# Altium PCB PCB_v2.PcbDoc (part 4 of 8)
Units mil, origin at the board's own origin, x right, y up, seen from the top; angles counter-clockwise.
Board outline 17000 x 5250 mil, 4 copper layers (Top Side, Ground Layer, Power Layer, Bottom Side), stack 33.2 mil thick; 671 components, 580 nets, 2819 pads, 990 vias.
Unrouted connection lines stored in the file: 104.
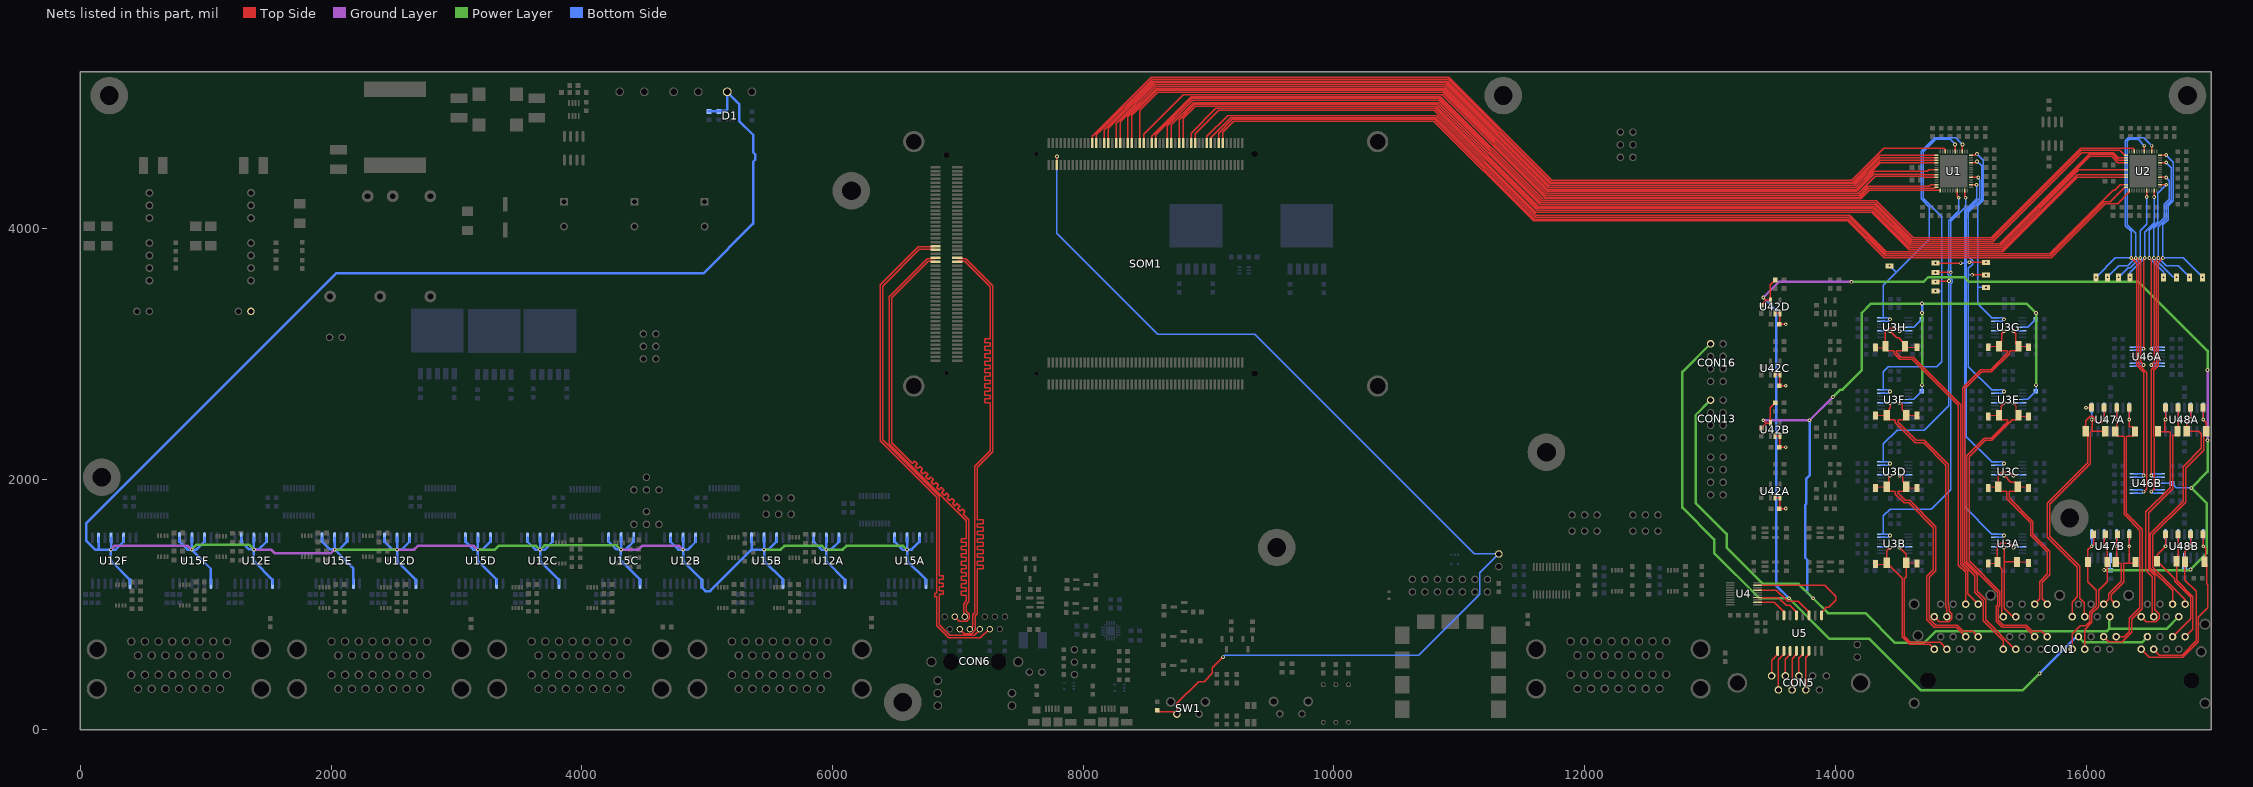
[diagram p6: the nets of this part, all layers, seen from the top]

## Via types
v1: diameter 30, hole 15, Top Side to Bottom Side, 922 vias
v2: diameter 25, hole 15, Top Side to Bottom Side, 30 vias
v3: diameter 60, hole 30, Top Side to Bottom Side, 29 vias
v4: diameter 50, hole 28, Top Side to Bottom Side, 7 vias
v5: diameter 40, hole 20, Top Side to Bottom Side, 2 vias

## Nets (pads, with @x,y where several pads share a name; then routed paths per layer and width w, separated by ;. In a path a pad name is that pad's centre, name@x,y a point inside that pad or via, vN(x,y) a via of type N, cw(c..) or ccw(c..) an arc to the next point about the centre after c; other vN are vias at no path point) (continued)
-15VB: C168D.1 C180B.1 C184B.1 C188B.1 CON1.5G CON1.5H CON16.7 R41D.1 U42D.5 U46B.11 U47B.4 U48B.4 | length 15772.9
  Top Side w10: C168D.1@13410,3388.46 13448.11,3426.57 ; v1(13425,3450) 13425,3449.68 13448.11,3426.57 ; R41D.1@13520,3588.46 13482.6,3551.06 U42D.5@13482.6,3426.57 13448.11,3426.57
  Ground Layer w20: v1(13425,3450) 13548.9,3573.9 v1(14130,3573.9) ; v1(16970,2310) v1(16970,2870)
  Power Layer w20: CON16.7@13005,3080 12780,2855 12780,1772.61 13032.79,1519.83 13032.79,1412.3 13395.09,1050 v1(13630,1050) 13955,725 14273.41,725 14684.39,314.02 15494.02,314.02 v1(15630,450) ; v1(14130,3573.9) 14703.9,3573.9 14740.77,3610.77 15030,3610.77 15066.87,3573.9 16418.88,3573.9 16970,3022.78 v1(16970,2870) ; CON1.5G@15940.16,743 15985.16,698 16445.16,698 CON1.5H@16490.16,743 ; v1(16145,1275) 16827.29,1275 16832.29,1280 v1(16835,1280) 16965,1410 16965,1805 v1(16840,1930) 16970,2060 v1(16970,2310)
  Bottom Side w10: v1(16145,1275) 16193.46,1275 C180B.1@16195,1273.46 U47B.4@16195,1371.02 ; U46B.11@16599.25,1965.51 16686.02,1965.51 C188B.1@16686.54,1965 16721.54,1930 v1(16840,1930) ; U48B.4@16785,1371.02 C184B.1@16785,1278.46 16786.54,1280 v1(16835,1280)
  Bottom Side w20: v1(13425,3450) 13527.5,3347.5 13527.5,1152.5 v1(13630,1050) ; v1(15630,450) 15923,743 CON1.5G@15940.16,743
-15VE: C168B.1 C190E.1 C190F.1 C190G.1 C190H.1 CON1.5C CON1.5D CON13.7 R41B.1 U3E.11 U3F.11 U3G.11 U3H.11 U42B.5 | length 12023.3
  Top Side w10: C168B.1@13410,2408.46 13448.11,2446.57 ; v1(13425,2470) 13425,2469.68 13448.11,2446.57 ; R41B.1@13520,2608.46 13482.6,2571.06 U42B.5@13482.6,2446.57 13448.11,2446.57
  Ground Layer w20: v1(13425,2470) v1(13795,2470) v1(13980,2655)
  Power Layer w20: CON13.7@13005,2630 12885,2510 12885,1810.45 13132.79,1562.66 13132.79,1453.72 13422.57,1163.94 13707.49,1163.94 v1(13821.43,1050) 13940.43,931 14239.43,931 14476.88,693.55 14708.55,693.55 14803,788 16168,788 16185,805 ; v1(13980,2655) 14040,2715 14057.43,2715 14211.63,2869.21 14211.63,3327.43 14285.21,3401 v1(14692,3401) 15525.63,3401 v1(15601.63,3325) v1(15601.63,2750) ; v1(14691.63,2750) v1(14691.63,3325) ; CON1.5C@16190.16,902.84 16185,897.68 16185,805 ; CON1.5D@16740.16,902.84 16642.31,805 16185,805
  Bottom Side w10: U3F.11@14582.42,2635.35 14583.33,2636.25 14625.96,2636.25 C190F.1@14689.7,2700 14691.63,2701.93 v1(14691.63,2750) ; U3H.11@14582.42,3210.35 14583.33,3211.25 14625.96,3211.25 C190H.1@14689.7,3275 14691.63,3276.93 14691.63,3321.14 v1@14689.7,3323.07 ; U3E.11@15492.42,2635.35 15493.33,2636.25 15535.96,2636.25 C190E.1@15599.7,2700 15601.63,2701.93 v1(15601.63,2750) ; U3G.11@15492.42,3210.35 15493.33,3211.25 15535.96,3211.25 C190G.1@15599.7,3275 15601.63,3276.93 v1(15601.63,3325)
  Bottom Side w20: v1(13795,2470) 13795,2029.2 13770,2004.2 13770,1805.57 13760,1795.57 13760,1372.57 13776,1356.57 13776,1095.43 v1(13821.43,1050) ; v1@14689.7,3323.07 v1@14690,3323.37 ; v1(14691.63,3325) 14691.82,3325.18 14691.82,3400.82 v1(14692,3401)
-16V: C167A.1 C167B.1 C167C.1 C167D.1 JP10.2 U42A.2 U42A.3 U42B.2 U42B.3 U42C.2 U42C.3 U42D.2 U42D.3 | length 700.2
  Top Side w10: U42A.2@13520,1853.43 U42A.3@13557.4,1853.43 13557.4,1768.94 C167A.1@13553.46,1765 ; U42B.2@13520,2343.43 U42B.3@13557.4,2343.43 13557.4,2258.94 C167B.1@13553.46,2255 ; U42C.2@13520,2833.43 U42C.3@13557.4,2833.43 13557.4,2748.94 C167C.1@13553.46,2745 ; U42D.2@13520,3323.43 U42D.3@13557.4,3323.43 13557.4,3238.94 C167D.1@13553.46,3235 ; C167A.1@13557.4,1765 v1(13605,1765) ; C167B.1@13557.4,2255 v1(13605,2255) ; C167C.1@13557.4,2745 v1(13605,2745) ; C167D.1@13557.4,3235 v1(13605,3235)
ADC1_CLKOUT: SOM1.JX1-37 U1.33 | length 7206.8
  Top Side w10: SOM1.JX1-37@8293.58,4680 8293.58,4850.26 8574.32,5131 10885.34,5131 11706.34,4310 14165.2,4310 14310.2,4455 14735.36,4455 14746.73,4466.38 U1.33@14809,4466.38
ADC1_CNV: SOM1.JX1-23 U1.24 | length 7518.9
  Top Side w10: SOM1.JX1-23@8073.11,4680 8073.11,4735.86 8543.25,5206 10916.4,5206 11737.4,4385 14132.36,4385 14385.4,4638.04 14866.56,4638.04 14875.1,4629.49 14875.1,4613.04 U1.24@14876.1,4612.04
ADC1_IN1: TP15H.1 U1.17 U3H.6 U3H.7 | length 2214.7
  Top Side w10: U1.17@15013.9,4612.04 v1(15013.9,4670)
  Bottom Side w10: U3H.6@14363.92,3261.18 14364.26,3261.53 14423.16,3261.53 v1(14436.63,3275) 14430.1,3281.53 14424.86,3286.77 U3H.7@14363.92,3286.77 ; U3H.7@14363.92,3287.12 14383.46,3287.12 14384.37,3288.03 14384.37,3546.7 14487.67,3650 ; v1(14432.93,3702.14) 14435.53,3702.14 14487.67,3650 ; v1(15013.9,4670) 14958.9,4725 14793.43,4725 14685,4616.57 14685,4236.01 14750,4171.01 14750,3912.33 14487.67,3650
ADC1_IN2: TP15F.1 U1.20 U3F.6 U3F.7 | length 2978.3
  Top Side w10: U1.20@14954.84,4612.04 14954.92,4612.11 14954.92,4669.92 v1(14955,4670)
  Bottom Side w10: U3F.6@14363.92,2686.18 14364.26,2686.53 14423.16,2686.53 v1(14436.63,2700) 14430.1,2706.53 14424.86,2711.77 U3F.7@14363.92,2711.77 ; U3F.7@14363.92,2712.12 14383.46,2712.12 14384.37,2713.03 14384.37,2856.21 14423.58,2895.43 14810.94,2895.43 14850.16,2934.64 14850.16,3500 ; v1(14799,3500) 14850.16,3500 ; v1(14955,4670) 14915,4710 14799.64,4710 14700,4610.36 14700,4242.22 14850.16,4092.06 14850.16,3500
ADC1_IN3: TP15C.1 U1.5 U3C.6 U3C.7 | length 2799
  Top Side w10: v1(15070,3730) v1(15201.06,3730) ; U1.5@15081,4407.32 v1(15140,4407.32)
  Bottom Side w10: v1(15070,3730) 15046,3730 ; v1(15140,4407.32) 15140,4401.91 15151.43,4390.48 15151.43,4239.21 15046,4133.78 15046,3730 ; U3C.6@15273.92,2111.18 15274.26,2111.53 15333.16,2111.53 v1(15346.63,2125) 15340.1,2131.53 15334.51,2137.12 15274.26,2137.12 U3C.7@15273.92,2136.77 ; U3C.7@15273.92,2137.12 15247.34,2137.12 15046,2338.46 15046,3730
ADC1_IN4: TP15A.1 U1.2 U3A.6 U3A.7 | length 3376.9
  Top Side w10: v1(14799,3723.07) v1(15000,3723.07) ; U1.2@15081,4348.27 v1(15126.43,4348.27)
  Bottom Side w10: v1(15000,3723.07) 15027.93,3723.07 15031,3720 ; v1(15126.43,4348.27) 15126.43,4235.43 15031,4140 15031,3720 ; U3A.6@15273.92,1536.18 15274.26,1536.53 15333.16,1536.53 v1(15346.63,1550) 15340.1,1556.53 15334.51,1562.12 15274.26,1562.12 U3A.7@15273.92,1561.77 ; U3A.7@15273.92,1562.12 15247.34,1562.12 15031,1778.46 15031,3720
ADC1_IN5: TP15B.1 U1.51 U3B.6 U3B.7 | length 3511.6
  Top Side w10: v1(14799,3648.71) 14919.71,3648.71 v1(14921,3650) ; U1.51@15033.58,4301.04 15033.58,4256.83 15040,4250.41 v1(15040,4245)
  Bottom Side w10: U3B.6@14363.92,1536.18 14364.26,1536.53 14423.16,1536.53 v1(14436.63,1550) 14430.1,1556.53 14424.86,1561.77 U3B.7@14363.92,1561.77 ; U3B.7@14363.92,1562.12 14383.46,1562.12 14384.37,1563.03 14384.37,1706.21 14438.16,1760 14765.36,1760 14921,1915.64 14921,3559.64 14931,3569.64 14931,3590.36 14921,3600.36 14921,4055.45 15040,4174.45 v1(15040,4245)
ADC1_IN6: TP15D.1 U1.48 U3D.6 U3D.7 | length 2837.5
  Top Side w10: v1(14799,3574.36) 14804.64,3580 v1(14906,3580) ; U1.48@14974.53,4301.04 14974.53,4260.88 14985,4250.41 v1(14985,4245)
  Bottom Side w10: U3D.6@14363.92,2111.18 14364.26,2111.53 14423.16,2111.53 v1(14436.63,2125) 14430.1,2131.53 14424.86,2136.77 U3D.7@14363.92,2136.77 ; U3D.7@14363.92,2137.12 14383.46,2137.12 14384.37,2138.03 14384.37,2281.21 14494.46,2391.3 14711.01,2391.3 14906,2586.29 v1(14906,3580) 14906,3629.64 14896,3639.64 14896,3660.36 14906,3670.36 14906,4061.66 14985,4140.66 v1(14985,4245)
ADC1_IN7: TP15G.1 U1.14 U3G.6 U3G.7 | length 1697.3
  Top Side w10: U1.14@15081,4584.49 15114.08,4584.49 15124.59,4595 v1(15130,4595)
  Bottom Side w10: v1(15130,4595) 15181.43,4543.57 15181.43,4226.79 15135,4180.36 15135,3530 ; v1(15201.06,3530) 15135,3530 ; U3G.6@15273.92,3261.18 15274.26,3261.53 15333.16,3261.53 v1(15346.63,3275) 15340.1,3281.53 15334.51,3287.12 15274.26,3287.12 U3G.7@15273.92,3286.77 ; U3G.7@15273.92,3287.12 15247.34,3287.12 15135,3399.46 15135,3530
ADC1_IN8: TP15E.1 U1.11 U3E.6 U3E.7 | length 2363.1
  Top Side w10: U1.11@15081,4525.43 15115.02,4525.43 15124.59,4535 v1(15130,4535) ; v1(15091.63,3630) v1(15201.06,3630)
  Bottom Side w10: v1(15091.63,3630) 15091.28,3629.64 15061,3629.64 ; v1(15130,4535) 15166.43,4498.57 15166.43,4233 15061,4127.57 15061,3774.35 15095,3740.36 15095,3715 15061,3681 15061,3629.64 ; U3E.6@15273.92,2686.18 15274.26,2686.53 15333.16,2686.53 v1(15346.63,2700) 15340.1,2706.53 15334.51,2712.12 15274.26,2712.12 U3E.7@15273.92,2711.77 ; U3E.7@15273.92,2712.12 15247.34,2712.12 15061,2898.46 15061,3629.64
ADC1_SCK: SOM1.JX1-53 U1.41 | length 6848.3
  Top Side w10: SOM1.JX1-53@8545.55,4680 8545.55,4737.52 8860.03,5052 10846.96,5052 11663.96,4235 14201.58,4235 14270.58,4304 14835.73,4304 14836.73,4303 U1.41@14836.73,4301.04
ADC1_SDO1: SOM1.JX1-25 U1.27 | length 7383.7
  Top Side w10: SOM1.JX1-25@8104.61,4680 8104.61,4746.14 8549.47,5191 10910.19,5191 11731.19,4370 14140.34,4370 14354.83,4584.49 U1.27@14809,4584.49
ADC1_SDO2: SOM1.JX1-29 U1.28 | length 7337
  Top Side w10: SOM1.JX1-29@8167.6,4680 8167.6,4787.92 8555.68,5176 10903.98,5176 11724.98,4355 14146.56,4355 14356.36,4564.8 U1.28@14809,4564.8
ADC1_SDO3: SOM1.JX1-31 U1.29 | length 7303.4
  Top Side w10: SOM1.JX1-31@8199.09,4680 8199.09,4798.2 8561.89,5161 10897.76,5161 11718.76,4340 14152.77,4340 14357.89,4545.12 U1.29@14809,4545.12
ADC1_SDO4: SOM1.JX1-35 U1.30 | length 7256.7
  Top Side w10: SOM1.JX1-35@8262.09,4680 8262.09,4839.98 8568.1,5146 10891.55,5146 11712.55,4325 14158.98,4325 14359.42,4525.43 U1.30@14809,4525.43
ADC1_SDO5: SOM1.JX1-41 U1.35 | length 7155.5
  Top Side w10: SOM1.JX1-41@8356.57,4680 8356.57,4892.04 8580.53,5116 10879.12,5116 11700.12,4295 14171.41,4295 14307.66,4431.25 14706.51,4431.25 14710.75,4427.01 U1.35@14809,4427.01
ADC1_SDO6: SOM1.JX1-43 U1.36 | length 7125.7
  Top Side w10: SOM1.JX1-43@8388.07,4680 8388.07,4902.33 8586.74,5101 10872.91,5101 11693.91,4280 14182.94,4280 14319.19,4416.25 14700.3,4416.25 14709.22,4407.32 U1.36@14809,4407.32
ADC1_SDO7: SOM1.JX1-47 U1.39 | length 7057.9
  Top Side w10: SOM1.JX1-47@8451.06,4680 8451.06,4944.11 8592.96,5086 10866.7,5086 11687.7,4265 14189.15,4265 14259.15,4335 14575.18,4335 14578.18,4338 14704.17,4338 14707.17,4335 14746.45,4335 14759.72,4348.27 U1.39@14809,4348.27
ADC1_SDO8: SOM1.JX1-49 U1.40 | length 6898.9
  Top Side w10: SOM1.JX1-49@8482.56,4680 8482.56,4750.24 8799.32,5067 10864.48,5067 11681.48,4250 14195.37,4250 14264.37,4319 14274.79,4319 14275.79,4320 14790.42,4320 14799,4328.58 U1.40@14809,4328.58
ADC2_CLKOUT: SOM1.JX1-73 U2.33 | length 8337
  Top Side w10: SOM1.JX1-73@8860.51,4680 8860.51,4760.51 9057,4957 10809.02,4957 11621.02,4145 14295.23,4145 14593.62,3846.61 15323.62,3846.61 15943.39,4466.38 U2.33@16319,4466.38
ADC2_CNV: SOM1.JX1-55 U2.24 | length 8773
  Top Side w10: SOM1.JX1-55@8577.05,4680 8577.05,4747.8 8866.24,5037 10840.74,5037 11657.74,4220 14326.29,4220 14621.29,3925 15243.18,3925 15956.22,4638.04 16376.56,4638.04 16385.1,4629.49 16385.1,4613.04 U2.24@16386.1,4612.04
ADC2_IN1: TP1B.1 U2.20 U46B.1 U46B.2 | length 3540
  Top Side w10: v1(16397,3765) 16420,3742 16420,2914.64 16485,2849.64 16485,1925 v1(16460,1900) ; U2.20@16464.84,4612.04 16464.92,4612.11 16464.92,4660.43 v1(16465,4660.51)
  Bottom Side w10: v1(16170,3610.77) 16260.92,3701.69 16333.69,3701.69 v1(16397,3765) 16397,3962.64 16330,4029.64 16330,4695.36 16344.64,4710 16415.51,4710 v1(16465,4660.51) ; U46B.1@16380.75,1888.74 16447.01,1888.74 16452.6,1894.33 16454.33,1894.33 v1(16460,1900) 16445.67,1914.33 U46B.2@16380.75,1914.33
ADC2_IN2: TP5A.1 U2.51 U46A.6 U46A.7 | length 1668.3
  Top Side w10: v1(16460,3040) 16460,3750.59 16469,3759.59 v1(16469,3765) ; v1(16543.58,4250) U2.51@16543.58,4301.04
  Bottom Side w10: v1(16350,3610.77) 16350.18,3610.95 16350.18,3646.18 v1(16469,3765) 16469,3970.09 16543.58,4044.67 v1(16543.58,4250) ; U46A.6@16380.75,3026.69 16446.69,3026.69 v1(16460,3040) 16447.72,3052.28 U46A.7@16380.75,3052.28
ADC2_IN3: TP7A.1 U2.2 U46A.8 U46A.9 | length 1789.9
  Top Side w10: v1(16505,3765) 16505,3759.59 16520,3744.59 v1(16520,3040) ; U2.2@16591,4348.27 v1(16640,4348.27)
  Bottom Side w10: U46A.9@16599.25,3026.69 16533.31,3026.69 v1(16520,3040) 16532.28,3052.28 U46A.8@16599.25,3052.28 ; v1(16618.94,3610.77) 16618.94,3651.06 v1(16505,3765) 16505,3984.87 16572.5,4052.37 16572.5,4280.77 v1(16640,4348.27)
ADC2_IN4: TP11A.1 U2.5 U46A.13 U46A.14 | length 2034.7
  Top Side w10: v1(16520,2910) 16545,2935 16545,3755.59 16541,3759.59 v1(16541,3765) ; U2.5@16591,4407.32 v1(16640,4407.32)
  Bottom Side w10: U46A.14@16599.25,2898.74 16532.99,2898.74 16527.4,2904.33 16525.67,2904.33 v1(16520,2910) 16534.33,2924.33 U46A.13@16599.25,2924.33 ; v1(16640,4407.32) 16665,4382.32 16665,4232.78 16625,4192.78 16625,4083.66 16541,3999.66 v1(16541,3765) 16692.62,3613.38 16720.02,3613.38 v1(16722.62,3610.77)
ADC2_IN5: TP5B.1 U2.17 U46B.6 U46B.7 | length 3539.4
  Top Side w10: v1(16361,3765) 16405,3721 16405,2908.43 16460,2853.43 v1(16460,2030) ; U2.17@16523.9,4612.04 v1(16523.9,4660.51)
  Bottom Side w10: v1(16080,3610.77) 16234.23,3765 v1(16361,3765) 16361,3977.43 16315,4023.43 16315,4701.57 16338.43,4725 16459.41,4725 v1(16523.9,4660.51) ; U46B.6@16380.75,2016.69 16446.69,2016.69 v1(16460,2030) 16447.72,2042.28 U46B.7@16380.75,2042.28
ADC2_IN6: TP1A.1 U2.48 U46A.1 U46A.2 | length 1829.6
  Top Side w10: v1(16433,3765) 16435,3763 16435,2935 v1(16460,2910) ; v1(16484.53,4250) U2.48@16484.53,4301.04
  Bottom Side w10: v1(16260,3610.77) 16335.92,3686.69 16354.69,3686.69 v1(16433,3765) 16433,3981.74 16484.53,4033.26 v1(16484.53,4250) ; U46A.1@16380.75,2898.74 16447.01,2898.74 16452.6,2904.33 16454.33,2904.33 v1(16460,2910) 16445.67,2924.33 U46A.2@16380.75,2924.33
ADC2_IN7: TP7B.1 U2.11 U46B.8 U46B.9 | length 3109.6
  Top Side w10: v1(16520,2030) 16520,2874.64 16560,2914.64 16560,3742.59 16577,3759.59 v1(16577,3765) ; U2.11@16591,4525.43 v1(16640,4525.43)
  Bottom Side w10: U46B.9@16599.25,2016.69 16533.31,2016.69 v1(16520,2030) 16532.28,2042.28 U46B.8@16599.25,2042.28 ; v1(16640,4525.43) 16680,4485.43 16680,4226.57 16640,4186.57 16640,4077.45 16577,4014.45 v1(16577,3765) 16639.86,3702.14 16734.95,3702.14 v1(16826.31,3610.77)
ADC2_IN8: TP11B.1 U2.14 U46B.13 U46B.14 | length 3384.2
  Top Side w10: v1(16520,1900) 16545,1925 16545,2330.53 16539.29,2336.24 16539.29,2869.89 16575,2905.6 16575,3727 v1(16613,3765) ; U2.14@16591,4584.49 16591.26,4584.74 16639.74,4584.74 v1(16640,4585)
  Bottom Side w10: U46B.14@16599.25,1888.74 16532.99,1888.74 16527.4,1894.33 16525.67,1894.33 v1(16520,1900) 16534.33,1914.33 U46B.13@16599.25,1914.33 ; v1(16640,4585) 16695,4530 16695,4220.36 16655,4180.36 16655,4071.23 16613,4029.23 v1(16613,3765) 16775.77,3765 v1(16930,3610.77)
ADC2_SCK: SOM1.JX1-89 U2.41 | length 8035.7
  Top Side w10: SOM1.JX1-89@9112.48,4680 9112.48,4767.01 9200.36,4854.89 10798,4854.89 11592.88,4060 14097.43,4060 14390.82,3766.61 15721.25,3766.61 16153.35,4198.7 16254.4,4198.7 16346.73,4291.04 U2.41@16346.73,4301.04
ADC2_SDO1: SOM1.JX1-61 U2.27 | length 8643.4
  Top Side w10: SOM1.JX1-61@8671.54,4680 8671.54,4821.08 8872.46,5022 10834.53,5022 11651.53,4205 14320.08,4205 14615.08,3910 15249.39,3910 15962.04,4622.64 16270.85,4622.64 16309,4584.49 U2.27@16319,4584.49
ADC2_SDO2: SOM1.JX1-63 U2.28 | length 8606.5
  Top Side w10: SOM1.JX1-63@8703.03,4680 8703.03,4827.12 8879.91,5004 10831.32,5004 11645.32,4190 14313.87,4190 14608.87,3895 15255.61,3895 15965.61,4605 16217.78,4605 16257.98,4564.8 U2.28@16319,4564.8
ADC2_SDO3: SOM1.JX1-67 U2.29 | length 8566.5
  Top Side w10: SOM1.JX1-67@8766.02,4680 8766.02,4868.9 8886.12,4989 10819.45,4989 11633.45,4175 14307.66,4175 14606.05,3876.61 15311.19,3876.61 16024.58,4590 16211.57,4590 16256.45,4545.12 U2.29@16319,4545.12
ADC2_SDO4: SOM1.JX1-69 U2.30 | length 8536.7
  Top Side w10: SOM1.JX1-69@8797.52,4680 8797.52,4879.18 8892.34,4974 10813.23,4974 11627.23,4160 14301.44,4160 14599.83,3861.61 15317.4,3861.61 16030.79,4575 16205.36,4575 16254.92,4525.43 U2.30@16319,4525.43
ADC2_SDO5: SOM1.JX1-75 U2.35 | length 8287.9
  Top Side w10: SOM1.JX1-75@8892.01,4680 8892.01,4753.99 9080.02,4942 10798.56,4942 11610.56,4130 14289.02,4130 14590.41,3828.61 15331.07,3828.61 15929.47,4427.01 U2.35@16319,4427.01
ADC2_SDO6: SOM1.JX1-81 U2.36 | length 8151.3
  Top Side w10: SOM1.JX1-81@8986.5,4680 8986.5,4734.3 9152.08,4899.89 10819.47,4899.89 11614.35,4105 14116.07,4105 14407.46,3813.61 15337.29,3813.61 15931,4407.32 U2.36@16319,4407.32
ADC2_SDO7: SOM1.JX1-83 U2.39 | length 8091.8
  Top Side w10: SOM1.JX1-83@9017.99,4680 9017.99,4725.51 9177.36,4884.89 10810.42,4884.89 11605.31,4090 14109.85,4090 14403.24,3796.61 15708.83,3796.61 16216.49,4304.27 16228.82,4304.27 16272.82,4348.27 U2.39@16319,4348.27
ADC2_SDO8: SOM1.JX1-87 U2.40 | length 8041.5
  Top Side w10: SOM1.JX1-87@9080.98,4680 9080.98,4760.98 9189.89,4869.89 10804.21,4869.89 11599.1,4075 14103.64,4075 14397.03,3781.61 15715.04,3781.61 16147.13,4213.7 16194.12,4213.7 16309,4328.58 U2.40@16319,4328.58
ALARMA: U4.2 U5.15 | length 269.7
  Top Side w10: U4.2@13379.25,1016.34 13514.2,1016.34 13590,940.54 U5.15@13590,912.98
ALARMB: U4.4 U5.13 | length 386
  Top Side w10: U4.4@13379.25,1055.71 13546.51,1055.71 13607.22,995 13635.54,995 13690,940.54 U5.13@13690,912.98
ALARMD: U4.9 U5.9 | length 874
  Top Side w10: U4.9@13379.25,1154.13 13917.43,1154.13 14005,1066.57 14005,1033.43 13947.96,976.4 13929.54,976.4 13890,936.86 U5.9@13890,912.98
ALARMZ: U4.7 U5.11 | length 510.5
  Top Side w10: U4.7@13379.25,1114.76 13529.88,1114.76 13619.64,1025 13705.54,1025 13790,940.54 U5.11@13790,912.98
ANLG_N1: CON1.2A D4H.1 TP17H.1 U3H.12 | length 2814.6
  Top Side w8: TP17H.1@14320,3050 14389.56,3050 D4H.1@14399.56,3060
  Top Side w10: v1(14511.63,3180) 14486.63,3205 14426.28,3205 14399.56,3178.29 D4H.1@14399.56,3060 14399.56,3043.66 14419.56,3023.66 14462.56,3023.66 14468.42,3017.8 14468.42,3002.06 14515.48,2955 14615.36,2955 14982.63,2587.72 14982.63,1313.89 15040.16,1256.36 CON1.2A@15040.16,1002.84
  Bottom Side w10: v1(14511.63,3180) 14517.04,3180 14521.8,3184.76 14582.07,3184.76 U3H.12@14582.42,3184.41
ANLG_N2: CON1.8A D4F.1 TP17F.1 U3F.12 | length 2348
  Top Side w8: D4F.1@14565.71,2510 14650.92,2510 TP17F.1@14651.99,2508.94
  Top Side w10: v1(14511.63,2605) 14529.01,2605 14535.36,2598.66 14535.36,2552.68 14541.7,2546.34 14545.71,2546.34 14565.71,2526.34 D4F.1@14565.71,2510 14565.71,2493.66 14545.71,2473.66 14503.71,2473.66 14497.85,2467.8 14497.85,2459.52 14647.46,2309.92 14710.08,2309.92 14900.16,2119.84 14900.16,986.27 14908.16,978.27 14908.16,946.84 14930.16,924.84 14930.16,886.27 14906.73,862.84 14830.16,862.84 CON1.8A@14790.16,902.84
  Bottom Side w10: v1(14511.63,2605) 14517.04,2605 14521.8,2609.76 14582.07,2609.76 U3F.12@14582.42,2609.41
ANLG_N3: CON1.2B D4C.1 TP17C.1 U3C.12 | length 1578.9
  Top Side w8: TP17C.1@15220,1930 15230,1940 D4C.1@15299.29,1940
  Top Side w10: v1(15421.63,2030) 15417.81,2033.83 15408.01,2033.83 15386.84,2055 15327.14,2055 15299.29,2027.15 15299.29,1966.84 15292.45,1960 15279.29,1960 D4C.1@15299.29,1940 15299.29,1923.66 15319.29,1903.66 15362.29,1903.66 15368.15,1897.8 15368.15,1843.84 15558.63,1653.36 15558.63,1552.17 15691.63,1419.17 15691.63,1243.43 15631.16,1182.95 15631.16,1043.84 CON1.2B@15590.16,1002.84
  Bottom Side w10: v1(15421.63,2030) 15427.04,2030 15431.8,2034.76 15492.07,2034.76 U3C.12@15492.42,2034.41
ANLG_N4: CON1.8B D4A.1 TP17A.1 U3A.12 | length 879.9
  Top Side w8: TP17A.1@15220,1327.11 15282.67,1327.11 D4A.1@15294.56,1339
  Top Side w10: CON1.8B@15347.15,909.84 CON1.8B@15340.16,902.84 15340.16,910 15327.45,922.71 15327.45,1286.02 15294.71,1318.75 15294.71,1338.85 D4A.1@15294.56,1339 15293.05,1340.51 15293.05,1465.06 15317.99,1490 15386.63,1490 v1@15417.81,1458.83
  Bottom Side w10: v1@15431.8,1459.76 15492.07,1459.76 U3A.12@15492.42,1459.41
  other v1: 15421.63,1455
ANLG_N5: CON1.2E D4B.1 TP17B.1 U3B.12 | length 1282.3
  Top Side w8: D4B.1@14565.71,1332.35 14646.75,1332.35 TP17B.1@14651.99,1327.11
  Top Side w10: v1(14511.63,1455) 14565.71,1400.92 D4B.1@14565.71,1332.35 14565.71,1222.44 14549.27,1206 14549.27,747.4 14599.12,697.55 14835.61,697.55 CON1.2E@14890.16,643
  Bottom Side w10: v1(14511.63,1455) 14517.04,1455 14521.8,1459.76 14582.07,1459.76 U3B.12@14582.42,1459.41
ANLG_N6: CON1.8E D4D.1 TP17D.1 U3D.12 | length 2007.2
  Top Side w8: D4D.1@14565.71,1931.83 14567.54,1930 TP17D.1@14651.99,1930
  Top Side w10: v1(14511.63,2030) 14528.26,2030 14536.19,2022.07 14536.19,1984.27 14544.12,1976.34 14545.71,1976.34 14565.71,1956.34 D4D.1@14565.71,1940 14565.71,1931.83 14565.71,1923.66 14545.71,1903.66 14503.71,1903.66 14497.85,1897.8 14497.85,1889.52 14557.37,1830 14593.64,1830 14801.63,1622.01 14801.63,1269.88 14750.16,1218.4 14750.16,886.27 14800.76,835.67 14972.94,835.67 15020.36,788.26 15094.9,788.26 CON1.8E@15140.16,743
  Bottom Side w10: v1(14511.63,2030) 14517.04,2030 14521.8,2034.76 14582.07,2034.76 U3D.12@14582.42,2034.41
ANLG_N7: CON1.2F D4G.1 TP17G.1 U3G.12 | length 3140.7
  Top Side w8: D4G.1@15460.71,3060 15532.44,3060 TP17G.1@15540.16,3052.28
  Top Side w10: v1(15421.63,3180) 15439.89,3161.74 15439.89,3102.2 15440.71,3101.38 15440.71,3080 D4G.1@15460.71,3060 15460.71,3043.66 15440.71,3023.66 15397.71,3023.66 15391.85,3017.8 15391.85,3002.06 15245.64,2855.85 15167.12,2855.85 15033.63,2722.36 15033.63,1335.01 15132.16,1236.49 15132.16,1104.14 15198.16,1038.14 15198.16,878.43 CON1.2F@15436.87,639.72 ; CON1.2F@15430.59,652.57 CON1.2F@15440.16,643
  Bottom Side w10: v1(15421.63,3180) 15427.04,3180 15431.8,3184.76 15492.07,3184.76 U3G.12@15492.42,3184.41
ANLG_N8: CON1.8F D4E.1 TP17E.1 U3E.12 | length 2697.6
  Top Side w8: v1(15418.17,2610) 15418.17,2608.46 15444.19,2582.44 15444.19,2540 15460.71,2523.48 D4E.1@15460.71,2510 15470.71,2500 TP17E.1@15540.16,2500
  Top Side w10: D4E.1@15460.71,2510 15460.71,2493.66 15440.71,2473.66 15413.45,2473.66 15249.64,2309.85 15196.12,2309.85 15066.63,2180.36 15066.63,1348.68 15312.45,1102.87 15312.45,991.72 15300.16,979.42 15300.16,875.13 15339.24,836.05 15522.56,836.05 15570.61,788 15648.63,788 15684.71,751.93 CON1.8F@15684.71,748.45 ; CON1.8F@15681.66,751.5 CON1.8F@15684.71,748.45 ; CON1.8F@15684.71,737.55 CON1.8F@15684.71,748.45 ; CON1.8F@15690.16,743 CON1.8F@15684.71,748.45
  Bottom Side w10: v1(15418.17,2610) v1@15422.04,2610 ; v1@15427.04,2605 v1@15422.04,2610 ; U3E.12@15492.42,2609.41 15492.07,2609.76 15431.8,2609.76 15432.04,2610 v1@15422.04,2610
ANLG_N9: CON1.2C D5B.1 TP3B.1 U47B.12 | length 738.1
  Top Side w10: CON1.2C@16140.16,1002.84 16180.16,1042.84 16180.16,1086.09 16279.78,1185.71 16279.78,1324.14 16273.92,1330 16254,1330 16245,1339 v1(16245,1465) 16245,1555 TP3B.1@16250,1560
  Bottom Side w10: v1(16245,1465) U47B.12@16245,1560
ANLG_N10: CON1.8C D6A.1 TP6A.1 U47A.10 | length 2221.8
  Top Side w10: CON1.8C@15890.16,902.84 15890.16,1019 15931.16,1060 15931.16,1297.01 15692,1536.17 15692,1808.34 16015.58,2131.92 16015.58,2364.72 15986.76,2393.54 15986.76,2418.05 15998.58,2429.88 15998.58,2463.94 16034.64,2500 16055.36,2500 16070,2485.36 16070,2465.16 16084.64,2450.51 16120.51,2450.51 v1(16145,2475) TP6A.1@16145,2570
  Bottom Side w10: v1(16145,2475) U47A.10@16145,2570
ANLG_N11: CON1.2D D9A.1 TP9A.1 U48A.12 | length 2019.5
  Top Side w10: CON1.2D@16690.16,1002.84 16690.16,1112.17 16513.54,1288.8 16513.54,1563.71 16774.73,1824.91 16774.73,2100 16920,2245.27 16920,2360.17 16898.45,2381.72 D9A.1@16804.29,2381.72 16804.29,2444.29 v1(16835,2475) TP9A.1@16835,2570
  Bottom Side w10: v1(16835,2475) U48A.12@16835,2570
ANLG_N12: CON1.8D D10A.1 TP12A.1 U48A.10 | length 2088.1
  Top Side w10: CON1.8D@16440.16,902.84 16480.16,862.84 16556.73,862.84 16583.88,890 16583.88,921.12 16548,957 16548,978.66 16548.16,978.82 16548.16,1232.96 16498.54,1282.58 16498.54,1732.99 16690.28,1924.74 16690.28,2345.09 16696.14,2350.95 16710,2350.95 16730,2370.95 D10A.1@16730,2381.72 16735,2386.72 TP12A.1@16735,2570
  Bottom Side w10: v1(16735,2475) U48A.10@16735,2570
ANLG_N13: CON1.2G D6B.1 TP6B.1 U47B.10 | length 1101.6
  Top Side w10: CON1.2G@15990.16,643 15990.16,800.16 16047.16,857.16 16047.16,929.23 16100,982.07 16100,1030 16100,1112.25 16170.71,1182.95 D6B.1@16170.71,1339 16170.71,1439.29 v1(16145,1465) 16145,1550 TP6B.1@16155,1560
  Bottom Side w10: v1(16145,1465) U47B.10@16145,1560
ANLG_N14: CON1.8G D5A.1 TP3A.1 U47A.12 | length 2147.8
  Top Side w10: CON1.8G@16240.16,743 16303.8,743 16344.99,784.19 16344.99,889.7 16429,973.71 16429,1593.57 16303.15,1719.43 16303.15,2337.8 16297.29,2343.66 16254.29,2343.66 16234.29,2363.66 D5A.1@16234.29,2380 16245,2390.71 TP3A.1@16245,2570
  Bottom Side w10: v1(16245,2475) U47A.12@16245,2570
ANLG_N15: CON1.2H D9B.1 TP9B.1 U48B.12 | length 1405.5
  Top Side w10: CON1.2H@16540.16,643 16586.16,597 16765.82,597 16878.71,709.88 16878.71,1105.58 16789.29,1195 D9B.1@16789.29,1342 16789.29,1419.29 v1(16835,1465) TP9B.1@16835,1560
  Bottom Side w10: v1(16835,1465) U48B.12@16835,1560
ANLG_N16: CON1.8H D10B.1 TP12B.1 U48B.10 | length 995.8
  Top Side w10: TP12B.1@16735,1560 v1(16735,1465) 16735,1357.32 D10B.1@16722.24,1344.56 16722.24,1191.63 16851,1062.87 16851,881.22 16850,880.22 16850,802.84 CON1.8H@16790.16,743
  Bottom Side w10: v1(16735,1465) U48B.10@16735,1560
ANLG_P1: CON1.1A D4H.2 TP13H.1 U3H.3 | length 2792.8
  Top Side w8: D4H.2@14555.27,3060 14562.99,3052.28 TP13H.1@14651.99,3052.28
  Top Side w10: v1(14436.63,3180) 14489.67,3126.97 14504.64,3126.97 14555.27,3076.34 D4H.2@14555.27,3060 14555.27,3043.66 14535.27,3023.66 14492.28,3023.66 14486.42,3017.8 14486.42,3009.52 14522.94,2973 14622.81,2973 15000.63,2595.18 15000.63,1321.34 15058.16,1263.82 15058.16,1084.84 CON1.1A@15140.16,1002.84
  Bottom Side w10: U3H.3@14363.92,3184.41 14364.26,3184.76 14426.46,3184.76 14431.22,3180 v1(14436.63,3180)
ANLG_P2: CON1.7A D4F.2 TP13F.1 U3F.3 | length 2140.3
  Top Side w8: TP13F.1@14320,2508.94 14321.06,2510 D4F.2@14410,2510
  Top Side w10: v1(14436.63,2605) 14436.63,2570.57 14428.28,2562.22 14428.28,2528.28 D4F.2@14410,2510 14410,2493.66 14430,2473.66 14472,2473.66 14477.85,2467.8 14477.85,2451.24 14639.17,2289.92 14704.63,2289.92 14882.16,2112.39 14882.16,978.82 14890.16,970.82 CON1.7A@14890.16,902.84
  Bottom Side w10: U3F.3@14363.92,2609.41 14364.26,2609.76 14426.46,2609.76 14431.22,2605 v1(14436.63,2605)
ANLG_P3: CON1.1B D4C.2 TP13C.1 U3C.3 | length 1484
  Top Side w8: D4C.2@15455,1940 15530.16,1940 TP13C.1@15540.16,1930
  Top Side w10: v1@15341.22,2030 v1(15346.63,2030) 15400.29,1976.34 15435,1976.34 15445.82,1965.52 15445.82,1914.48 15435,1903.66 15392,1903.66 15386.15,1897.8 15386.15,1851.3 15576.63,1660.81 15576.63,1559.63 15709.63,1426.63 15709.63,1235.97 15649.16,1175.5 15649.16,1043.84 CON1.1B@15690.16,1002.84
  Bottom Side w10: U3C.3@15273.92,2034.41 15274.26,2034.76 15336.46,2034.76 15341.22,2030 v1(15346.63,2030)
ANLG_P4: CON1.7B D4A.2 TP13A.1 U3A.3 | length 879.4
  Top Side w8: D4A.2@15450.27,1339 15531.16,1339 TP13A.1@15540.16,1330
  Top Side w10: v1(15346.63,1455) 15346.63,1340 ; CON1.7B@15440.16,902.84 15433.16,909.84 15406.13,909.84 15346.42,969.54 15346.42,1339.79 15346.63,1340 ; D4A.2@15450.27,1339 15449.27,1340 15346.63,1340
  Bottom Side w10: U3A.3@15273.92,1459.41 15274.26,1459.76 15336.46,1459.76 15341.22,1455 v1(15346.63,1455)
ANLG_P5: CON1.1E D4B.2 TP13B.1 U3B.3 | length 1242.6
  Top Side w8: TP13B.1@14320,1322.6 14400.25,1322.6 D4B.2@14410,1332.35
  Top Side w10: v1(14436.63,1455) 14410,1428.37 D4B.2@14410,1332.35 14533.27,1209.08 14533.27,740.78 14592.5,681.55 14751.61,681.55 CON1.1E@14790.16,643
  Bottom Side w10: U3B.3@14363.92,1459.41 14364.26,1459.76 14426.46,1459.76 14431.22,1455 v1(14436.63,1455)
ANLG_P6: CON1.7E D4D.2 TP13D.1 U3D.3 | length 1932.5
  Top Side w8: TP13D.1@14320,1930 14330,1940 D4D.2@14410,1940
  Top Side w10: v1(14436.63,2030) 14425.07,2018.44 14425.07,1955.07 D4D.2@14410,1940 14410,1923.66 14430,1903.66 14472,1903.66 14477.85,1897.8 14477.85,1881.24 14549.09,1810 14585.36,1810 14781.63,1613.72 14781.63,1278.16 14730.16,1226.69 14730.16,877.99 14790.48,817.67 14965.49,817.67 CON1.7E@15040.16,743 CON1.7E@15049.66,752.5
  Bottom Side w10: U3D.3@14363.92,2034.41 14364.26,2034.76 14426.46,2034.76 14431.22,2030 v1(14436.63,2030)
ANLG_P7: CON1.1F D4G.2 TP13G.1 U3G.3 | length 3113.3
  Top Side w8: TP13G.1@15220,3052.28 15227.72,3060 D4G.2@15305,3060
  Top Side w10: v1(15346.63,3180) 15325.82,3159.18 15325.82,3102.2 15325,3101.38 15325,3080 D4G.2@15305,3060 15305,3043.66 15325,3023.66 15368,3023.66 15373.85,3017.8 15373.85,3009.52 15238.18,2873.85 15159.67,2873.85 15015.63,2729.81 15015.63,1327.56 15114.16,1229.03 15114.16,1096.69 15180.16,1030.69 15180.16,870.98 15340.16,710.98 CON1.1F@15340.16,643 CON1.1F@15349.72,652.57
  Bottom Side w10: U3G.3@15273.92,3184.41 15274.26,3184.76 15336.46,3184.76 15341.22,3180 v1(15346.63,3180)
ANLG_P8: CON1.7F D4E.2 TP13E.1 U3E.3 | length 2637.5
  Top Side w8: TP13E.1@15220,2500 15230,2510 D4E.2@15305,2510
  Top Side w10: v1(15346.63,2610.41) 15346.63,2605 15321.98,2580.35 15321.98,2526.98 D4E.2@15305,2510 15305,2493.66 15325,2473.66 15368,2473.66 15373.85,2467.8 15373.85,2459.52 15242.18,2327.85 15188.67,2327.85 15048.63,2187.81 15048.63,1341.23 15294.45,1095.41 15294.45,999.17 15282.16,986.88 15282.16,867.68 15331.79,818.05 15515.11,818.05 CON1.7F@15590.16,743 ; CON1.7F@15598.66,751.5 CON1.7F@15590.16,743 ; CON1.7F@15599.34,733.82 CON1.7F@15590.16,743
  Bottom Side w10: U3E.3@15273.92,2609.41 15274.26,2609.76 15336.46,2609.76 15341.22,2605 v1(15346.63,2610.41)
ANLG_P9: CON1.1C D5B.2 TP2B.1 U47B.14 | length 807.6
  Top Side w10: CON1.1C@16240.16,1002.84 16234.94,1002.84 16200.16,1037.62 16200.16,1077.8 16299.78,1177.43 16299.78,1324.14 16305.64,1330 16345,1330 ; TP2B.1@16345,1560 16345,1330 ; D5B.2@16394,1339 16385,1330 16345,1330
  Bottom Side w10: v1(16345,1465) U47B.14@16345,1560
ANLG_P10: CON1.7C D6A.2 TP4A.1 U47A.8 | length 2125.7
  Top Side w10: CON1.7C@15990.16,902.84 15985,908 15985,1014.57 15949.16,1050.41 15949.16,1304.47 15710,1543.62 15710,1800.88 16033.58,2124.46 16033.58,2375.17 16039.44,2381.02 16048,2381.02 ; v1@16000.33,2570 TP4A.1@16045,2570 ; v1(16045,2475) 16048,2472 16048,2381.02 ; D6A.2@16154.29,2381.72 16153.6,2381.02 16048,2381.02
  Bottom Side w10: v1(16000,2570) U47A.8@16045,2570 v1(16045,2475)
ANLG_P11: CON1.1D D9A.2 TP8A.1 U48A.14 | length 1957.1
  Top Side w10: CON1.1D@16790.16,1002.84 16790.16,1037.63 16531.54,1296.25 16531.54,1390.04 16533.54,1392.04 16533.54,1555.43 16794.73,1816.62 16794.73,2086.65 16940,2231.92 16940,2361.72 D9A.2@16960,2381.72 16960,2450 v1(16935,2475) TP8A.1@16935,2570
  Bottom Side w10: v1(16935,2475) U48A.14@16935,2570
ANLG_P12: CON1.7D D10A.2 TP10A.1 U48A.8 | length 1962.6
  Top Side w10: CON1.7D@16540.16,902.84 16530,913 16530,986.12 16530.16,986.27 16530.16,1019.41 16530,1019.57 16530,1222.83 16478.54,1274.3 16478.54,1741.27 16670.28,1933.02 16670.28,2374.14 16664.43,2380 16629.86,2380 ; D10A.2@16574.29,2381.72 16576.01,2380 16629.86,2380 ; TP10A.1@16635,2570 v1(16635,2475) 16629.86,2469.86 16629.86,2380
  Bottom Side w10: v1(16635,2475) U48A.8@16635,2570
ANLG_P13: CON1.1G D6B.2 TP4B.1 U47B.8 | length 1162.7
  Top Side w10: CON1.1G@15890.16,643 15890.16,766.57 15953.58,830 15995.96,830 16030.16,864.2 16030.16,936.27 16082,988.12 16082,1113 16015,1180 D6B.2@16015,1339 16015,1435 v1(16045,1465) 16045,1465.86 16060,1480.86 TP4B.1@16060,1560
  Bottom Side w10: v1(16045,1465) U47B.8@16045,1560
ANLG_P14: CON1.7G D5A.2 TP2A.1 U47A.14 | length 2328.7
  Top Side w10: CON1.7G@16140.16,743 16180.16,703 16289.25,703 16362.99,776.74 16362.99,882.24 16447,966.25 16447,1601.03 16321.15,1726.88 16321.15,2337.8 16327,2343.66 16370,2343.66 16390,2363.66 D5A.2@16390,2380 16390,2396.34 16370,2416.34 16350.86,2416.34 16345,2422.2 v1(16345,2475) TP2A.1@16345,2570
  Bottom Side w10: v1(16345,2475) U47A.14@16345,2570
ANLG_P15: CON1.1H D9B.2 TP8B.1 U48B.14 | length 1539.4
  Top Side w10: CON1.1H@16440.16,643 16443.16,640 16503.16,580 16772.87,580 16895.71,702.84 16895.71,896.26 16973.16,973.71 16973.16,1158.45 16965,1166.61 16965,1322 D9B.2@16945,1342 16953.29,1350.29 16953.29,1446.71 v1(16935,1465) TP8B.1@16935,1560
  Bottom Side w10: v1(16935,1465) U48B.14@16935,1560
ANLG_P16: CON1.7H D10B.2 TP10B.1 U48B.8 | length 1111.6
  Top Side w10: TP10B.1@16635,1560 v1(16635,1465) 16566.54,1396.54 D10B.2@16566.54,1344.56 16706.24,1204.85 16706.24,1185 16835,1056.25 16835,887.84 CON1.7H@16690.16,743
  Bottom Side w10: v1(16635,1465) U48B.8@16635,1560
CARRIER_SRST_N: C50.2 JP9.1 SOM1.JX1-6 SW1.1 | length 8712.1
  Top Side w10: SOM1.JX1-6@7789.65,4506.77 v1(7789.65,4575) ; C50.2@8590,156.54 8603.7,142.83 8716.39,142.83 8734.23,125 SW1.1@8747.76,125 8747.76,213.11 8920,385.36 8965.36,385.36 9030,450 9030,495.36 v1(9114.64,580)
  Bottom Side w10: v1(7789.65,4575) 7789.65,3960.9 8594.91,3155.63 9367.34,3155.63 11120.07,1402.89 JP9.1@11315,1402.89 11165,1252.89 11165,1083.43 10676.57,595 9129.64,595 v1(9114.64,580)
DRIVE_EN: C51.2 CON2.1 D1.4 R17.2 U12A.2 U12A.4 U12A.6 U12A.10 U12B.2 U12B.4 U12B.6 U12B.10 U12C.2 U12C.4 U12C.6 U12C.10 U12D.2 U12D.4 U12D.6 U12D.10 U12E.2 U12E.4 U12E.6 U12E.10 U12F.2 U12F.4 U12F.6 U12F.10 U15A.2 U15A.4 U15A.6 U15A.10 U15B.2 U15B.4 U15B.6 U15B.10 U15C.2 U15C.4 U15C.6 U15C.10 U15D.2 U15D.4 U15D.6 U15D.10 U15E.2 U15E.4 U15E.6 U15E.10 U15F.2 U15F.4 U15F.6 U15F.10 | length 23553.7
  Ground Layer w20: v1(242.31,1437.6) 274.71,1470 854.91,1470 v1(887.31,1437.6) ; v1(1383.84,1437.6) 1520.88,1437.6 1550.88,1407.6 1996.14,1407.6 2026.14,1437.6 v1(2028.84,1437.6) ; v1(2525.38,1437.6) 2660.88,1437.6 2690.88,1467.6 3137.67,1467.6 3167.67,1437.6 v1(3170.38,1437.6) ; v1(4311.91,1437.6) 4450.88,1437.6 4480.88,1467.6 4775.74,1467.6 4805.74,1437.6 v1(4808.45,1437.6)
  Power Layer w20: v1(887.31,1437.6) 926.77,1477.06 1344.38,1477.06 v1(1383.84,1437.6) ; v1(2028.84,1437.6) v1(2525.38,1437.6) ; v1(3170.38,1437.6) 3305.88,1437.6 3335.88,1467.6 3634.21,1467.6 3664.21,1437.6 v1(3666.91,1437.6) 3701.38,1472.06 4277.45,1472.06 v1(4311.91,1437.6) ; v1(5453.45,1437.6) 5585.88,1437.6 5615.88,1467.6 5917.28,1467.6 5947.28,1437.6 v1(5949.98,1437.6) 6080.88,1437.6 6110.88,1467.6 6562.28,1467.6 6592.28,1437.6 v1(6594.98,1437.6)
  Bottom Side w20: U12F.2@144.63,1532.09 144.63,1437.6 ; U12F.4@244.63,1532.09 243.94,1531.39 243.94,1439.23 v1(242.31,1437.6) ; U12F.6@344.63,1532.09 344.63,1500.59 281.64,1437.6 v1(242.31,1437.6) ; U12F.10@394.63,1165.16 394.63,1196.65 242.31,1348.98 v1(242.31,1437.6) ; U15F.2@789.63,1533.62 789.63,1502.13 853.15,1438.6 886.3,1438.6 v1(887.31,1437.6) ; U15F.4@889.63,1533.62 888.94,1532.93 888.94,1463.73 887.81,1462.6 887.81,1438.1 v1(887.31,1437.6) ; U15F.6@989.63,1533.62 989.63,1502.13 925.1,1437.6 v1(887.31,1437.6) ; U15F.10@1039.63,1166.69 1039.63,1285.28 v1(887.31,1437.6) ; U12E.2@1282.7,1532.09 1282.7,1500.59 1344.55,1438.74 v1@1382.7,1438.74 ; U12E.4@1382.7,1532.09 1383.2,1531.58 1383.2,1439.24 v1@1382.7,1438.74 ; v1(1383.84,1437.6) 1383.84,1345.51 1532.7,1196.65 U12E.10@1532.7,1165.16 ; U12E.6@1482.7,1532.09 1482.7,1500.59 1420.85,1438.74 v1@1382.7,1438.74 ; U15E.2@1927.7,1533.62 1927.7,1502.13 1991.09,1438.74 v1@2027.7,1438.74 ; U15E.4@2027.7,1533.62 2028.2,1533.12 2028.2,1439.24 v1@2027.7,1438.74 ; v1(2028.84,1437.6) 2177.7,1288.74 U15E.10@2177.7,1166.69 ; U15E.6@2127.7,1533.62 2127.7,1502.13 2064.31,1438.74 v1@2027.7,1438.74 ; U12D.2@2425.38,1532.09 2425.38,1500.59 2487.87,1438.1 2524.88,1438.1 v1(2525.38,1437.6) ; U12D.4@2525.38,1532.09 v1(2525.38,1437.6) ; U12D.6@2625.38,1532.09 2625.38,1500.59 2562.89,1438.1 2525.88,1438.1 v1(2525.38,1437.6) ; U12D.10@2675.38,1165.16 2675.38,1196.65 2525.38,1346.65 v1(2525.38,1437.6) ; U15D.2@3070.38,1533.62 3070.38,1502.13 3134.4,1438.1 3169.88,1438.1 v1(3170.38,1437.6) ; U15D.4@3170.38,1533.62 v1(3170.38,1437.6) ; U15D.6@3270.38,1533.62 3270.38,1502.13 3206.35,1438.1 3170.88,1438.1 v1(3170.38,1437.6) ; U15D.10@3320.38,1166.69 3320.38,1198.19 3170.38,1348.19 v1(3170.38,1437.6) ; U12C.2@3566.91,1532.09 3566.91,1500.59 3629.4,1438.1 3666.41,1438.1 v1(3666.91,1437.6) ; U12C.4@3666.91,1532.09 v1(3666.91,1437.6) ; U12C.6@3766.91,1532.09 3766.91,1500.59 3704.42,1438.1 3667.42,1438.1 v1(3666.91,1437.6) ; U12C.10@3816.91,1165.16 3816.91,1196.65 3666.91,1346.65 v1(3666.91,1437.6) ; U15C.2@4213.84,1533.62 4213.84,1502.13 4276.46,1439.51 4310,1439.51 v1(4311.91,1437.6) ; U15C.4@4313.84,1533.62 4313.32,1533.1 4313.32,1439.01 v1(4311.91,1437.6) ; U15C.6@4413.84,1533.62 4413.84,1502.13 4349.31,1437.6 v1(4311.91,1437.6) ; U15C.10@4463.84,1166.69 4463.84,1197.73 4311.91,1349.66 v1(4311.91,1437.6) ; U12B.2@4708.45,1532.09 4708.45,1500.59 4770.94,1438.1 4807.95,1438.1 v1(4808.45,1437.6) ; U12B.4@4808.45,1532.09 v1(4808.45,1437.6) ; U12B.6@4908.45,1532.09 4908.45,1500.59 4845.96,1438.1 4808.95,1438.1 v1(4808.45,1437.6) ; R17.2@5014,4933.46 C51.2@5094,4933.46 5097.94,4937.4 5147.98,4937.4 5158.41,4947.83 5158.41,5088.41 5254.59,4992.23 5254.59,4858.66 5366,4747.26 5366,4607.64 5385,4588.64 5385,4551.36 5366,4532.36 5366,4037.94 4969,3640.94 2038.65,3640.94 46.95,1649.24 46.95,1507 116.35,1437.6 144.63,1437.6 ; U15B.2@5353.45,1533.62 5353.8,1533.27 5353.8,1437.6 ; U15B.4@5453.45,1533.62 v1(5453.45,1437.6) ; U15B.6@5553.45,1533.62 5553.45,1502.13 5489.42,1438.1 5453.95,1438.1 v1(5453.45,1437.6) ; U15B.10@5603.45,1166.69 5603.45,1198.19 5453.45,1348.19 v1(5453.45,1437.6) ; U12A.2@5849.98,1532.09 5849.98,1500.59 5912.47,1438.1 5949.48,1438.1 v1(5949.98,1437.6) ; U12A.4@5949.98,1532.09 v1(5949.98,1437.6) ; U12A.6@6049.98,1532.09 6049.98,1500.59 5987.49,1438.1 5950.49,1438.1 v1(5949.98,1437.6) ; U12A.10@6099.98,1165.16 6099.98,1196.65 5949.98,1346.65 v1(5949.98,1437.6) ; U15A.2@6494.98,1533.62 6494.98,1502.13 6559.01,1438.1 6594.48,1438.1 v1(6594.98,1437.6) ; U15A.4@6594.98,1533.62 v1(6594.98,1437.6) ; U15A.6@6694.98,1533.62 6694.98,1502.13 6630.96,1438.1 6595.49,1438.1 v1(6594.98,1437.6) ; U15A.10@6744.98,1166.69 6744.98,1198.19 6594.98,1348.19 v1(6594.98,1437.6) ; 144.63,1437.6 v1(242.31,1437.6) ; v1(4808.45,1437.6) 4808.45,1346.65 4958.45,1196.65 U12B.10@4958.45,1165.16 4958.45,1134.64 4986.24,1106.85 5023.05,1106.85 5353.8,1437.6 ; 5353.8,1437.6 v1(5453.45,1437.6)
ENC_A: CON5.5 U5.1 | length 235.6
  Top Side w10: CON5.5@13491.89,430.91 13491.89,553.85 13540,601.96 U5.1@13540,646.54
ENC_A\: CON5.9 U5.2 | length 345.5
  Top Side w10: CON5.9@13546.42,319.09 13546.42,558.38 13590,601.96 U5.2@13590,646.54
ENC_B: CON5.4 U5.3 | length 231.8
  Top Side w10: CON5.4@13600.94,430.91 13600.94,562.9 13640,601.96 U5.3@13640,646.54
ENC_B\: CON5.8 U5.4 | length 341.7
  Top Side w10: CON5.8@13655.47,319.09 13655.47,567.43 13690,601.96 U5.4@13690,646.54
ENC_Z: CON5.3 U5.5 | length 228.1
  Top Side w10: CON5.3@13710,430.91 13710,571.96 13740,601.96 U5.5@13740,646.54
ENC_Z\: CON5.7 U5.6 | length 338
  Top Side w10: CON5.7@13764.53,319.09 13764.53,576.49 13790,601.96 U5.6@13790,646.54
ETH_MD1_N: CON6.10 SOM1.JX3-53 | length 3897.4
  Top Side w10: SOM1.JX3-53@6821.69,3765.13 6816.69,3760.13 6781.58,3760.13 6780.84,3759.38 6755.01,3759.38 6451.31,3455.67 6451.31,2282.78 7067,1667.09 7067,1640 7067,1528 7064,1525 7030.36,1525 7027.36,1522 7027.36,1498 7030.36,1495 7064,1495 7067,1492 7067,1468 7064,1465 7030.36,1465 7027.36,1462 7027.36,1438 7030.36,1435 7064,1435 7067,1432 7067,1408 7064,1405 7030.36,1405 7027.36,1402 7027.36,1378 7030.36,1375 7064,1375 7067,1372 7067,1348 7064,1345 7030.36,1345 7027.36,1342 7027.36,1318 7030.36,1315 7064,1315 7067,1312 7067,1288 7064,1285 7030.36,1285 7027.36,1282 7027.36,1258 7030.36,1255 7064,1255 7067,1252 7067,1228 7064,1225 7030.36,1225 7027.36,1222 7027.36,1198 7030.36,1195 7064,1195 7067,1192 7067,1168 7064,1165 7030.36,1165 7027.36,1162 7027.36,1138 7030.36,1135 7064,1135 7067,1132 7067,1108 7064,1105 7030.36,1105 7027.36,1102 7027.36,1078 7030.36,1075 7064,1075 7067,1072 7067,1060 7067,1028.27 7045,1006.27 7045,937.07 7048.74,933.34 7048.74,909.29 CON6.10@7055,903.03
ETH_MD1_P: CON6.11 SOM1.JX3-51 | length 3892
  Top Side w10: SOM1.JX3-51@6821.69,3733.63 6816.69,3738.63 6781.58,3738.63 6780.84,3739.38 6763.3,3739.38 6471.31,3447.39 6471.31,2291.07 6626.19,2136.19 6634.67,2127.7 6638.91,2127.7 6652.96,2141.75 6657.2,2141.75 6674.17,2124.78 6674.17,2120.53 6660.13,2106.49 6660.13,2102.25 6677.1,2085.27 6681.34,2085.27 6695.39,2099.32 6699.63,2099.32 6716.6,2082.35 6716.6,2078.11 6702.55,2064.06 6702.55,2059.82 6719.52,2042.85 6723.77,2042.85 6737.81,2056.89 6742.06,2056.89 6759.03,2039.92 6759.03,2035.68 6744.98,2021.64 6744.98,2017.39 6761.95,2000.42 6766.19,2000.42 6780.24,2014.47 6784.48,2014.47 6801.45,1997.5 6801.45,1993.25 6787.41,1979.21 6787.41,1974.97 6804.38,1958 6808.62,1958 6822.67,1972.04 6826.91,1972.04 6843.88,1955.07 6843.88,1950.83 6829.83,1936.78 6829.83,1932.54 6846.8,1915.57 6851.05,1915.57 6865.09,1929.62 6869.33,1929.62 6886.31,1912.64 6886.31,1908.4 6872.26,1894.36 6872.26,1890.11 6889.23,1873.14 6893.47,1873.14 6907.52,1887.19 6911.76,1887.19 6928.73,1870.22 6928.73,1865.98 6914.69,1851.93 6914.69,1847.69 6931.66,1830.72 6935.9,1830.72 6949.94,1844.76 6954.19,1844.76 6971.16,1827.79 6971.16,1823.55 6957.11,1809.5 6957.11,1805.26 6974.08,1788.29 6978.33,1788.29 6992.37,1802.34 6996.61,1802.34 7013.58,1785.37 7013.58,1781.12 6999.54,1767.08 6999.54,1762.83 7016.51,1745.86 7020.75,1745.86 7034.8,1759.91 7039.04,1759.91 7056.01,1742.94 7056.01,1738.7 7041.97,1724.65 7041.97,1720.41 7052.37,1710 7087,1675.37 7087,1019.98 7065,997.98 7065,945.36 7090,920.36 7090,888.53 7069.5,868.03 7010,868.03 CON6.11@6975,903.03
ETH_MD2_N: CON6.5 SOM1.JX3-54 | length 3923
  Top Side w10: SOM1.JX3-54@6994.92,3765.13 6999.92,3760.13 7035.03,3760.13 7035.78,3759.38 7061.6,3759.38 7279,3541.98 7279,2219.5 7155,2095.5 7155,1740 7155,1678 7158,1675 7197.9,1675 7200.9,1672 7200.9,1648 7197.9,1645 7158,1645 7155,1642 7155,1618 7158,1615 7197.9,1615 7200.9,1612 7200.9,1588 7197.9,1585 7158,1585 7155,1582 7155,1558 7158,1555 7197.9,1555 7200.9,1552 7200.9,1528 7197.9,1525 7158,1525 7155,1522 7155,1498 7158,1495 7197.9,1495 7200.9,1492 7200.9,1468 7197.9,1465 7158,1465 7155,1462 7155,1438 7158,1435 7197.9,1435 7200.9,1432 7200.9,1408 7197.9,1405 7158,1405 7155,1402 7155,1378 7158,1375 7197.9,1375 7200.9,1372 7200.9,1348 7197.9,1345 7158,1345 7155,1342 7155,1318 7158,1315 7197.9,1315 7200.9,1312 7200.9,1288 7197.9,1285 7158,1285 7155,1282 7155,1255 7155,1240 7155,926.36 7140.08,911.44 7140.08,798.61 7109.5,768.03 7050.08,768.03 CON6.5@7015.08,803.03
ETH_MD2_P: CON6.4 SOM1.JX3-52 | length 3910.9
  Top Side w10: SOM1.JX3-52@6994.92,3733.63 6999.92,3738.63 7035.03,3738.63 7035.78,3739.38 7053.32,3739.38 7259,3533.7 7259,3150 7259,3123 7256,3120 7216.29,3120 7213.29,3117 7213.29,3093 7216.29,3090 7256,3090 7259,3087 7259,3063 7256,3060 7216.29,3060 7213.29,3057 7213.29,3033 7216.29,3030 7256,3030 7259,3027 7259,3003 7256,3000 7216.29,3000 7213.29,2997 7213.29,2973 7216.29,2970 7256,2970 7259,2967 7259,2943 7256,2940 7216.29,2940 7213.29,2937 7213.29,2913 7216.29,2910 7256,2910 7259,2907 7259,2883 7256,2880 7216.29,2880 7213.29,2877 7213.29,2853 7216.29,2850 7256,2850 7259,2847 7259,2823 7256,2820 7216.29,2820 7213.29,2817 7213.29,2793 7216.29,2790 7256,2790 7259,2787 7259,2763 7256,2760 7216.29,2760 7213.29,2757 7213.29,2733 7216.29,2730 7256,2730 7259,2727 7259,2703 7256,2700 7216.29,2700 7213.29,2697 7213.29,2673 7216.29,2670 7256,2670 7259,2667 7259,2643 7256,2640 7216.29,2640 7213.29,2637 7213.29,2613 7216.29,2610 7256,2610 7259,2607 7259,2595 7259,2227.78 7135,2103.78 7135,934.64 7120.08,919.72 7120.08,826.24 7096.87,803.03 CON6.4@7095,803.03
ETH_MD3_N: CON6.2 SOM1.JX3-59 | length 3989.8
  Top Side w10: SOM1.JX3-59@6821.69,3859.62 6816.69,3854.62 6781.58,3854.62 6780.84,3853.87 6684.54,3853.87 6379.67,3548.99 6379.67,2304.92 6830,1854.59 6830,1210 6830,1093 6827,1090 6819.69,1090 6816.69,1087 6816.69,1063 6819.69,1060 6827,1060 6830,1057 6830,1045 6830,830.33 6927.3,733.03 7180,733.03 7250,803.03 CON6.2@7255.08,803.03
ETH_MD3_P: CON6.3 SOM1.JX3-57 | length 3992.5
  Top Side w10: SOM1.JX3-57@6821.69,3828.12 6816.69,3833.12 6781.58,3833.12 6780.84,3833.87 6692.83,3833.87 6399.67,3540.71 6399.67,2313.21 6850,1862.88 6850,1500 6850,1233 6853,1230 6879.07,1230 6882.07,1227 6882.07,1203 6879.07,1200 6853,1200 6850,1197 6850,1173 6853,1170 6879.07,1170 6882.07,1167 6882.07,1143 6879.07,1140 6853,1140 6850,1137 6850,1113 6853,1110 6879.07,1110 6882.07,1107 6882.07,1083 6879.07,1080 6853,1080 6850,1077 6850,1050 6850,1035 6850,838.61 6935.58,753.03 7130.49,753.03 CON6.3@7180.49,803.03